# Altium PCB BACKPMANv20.PcbDoc (part 4 of 4)
Units mm, origin at the board's own origin, x right, y up, seen from the top; angles counter-clockwise.
Board outline 113 x 160 mm, 4 copper layers (Component Side, Layer 1, Layer 2, Bottom Layer), stack 1.707 mm thick; 341 components, 232 nets, 1177 pads, 728 vias.
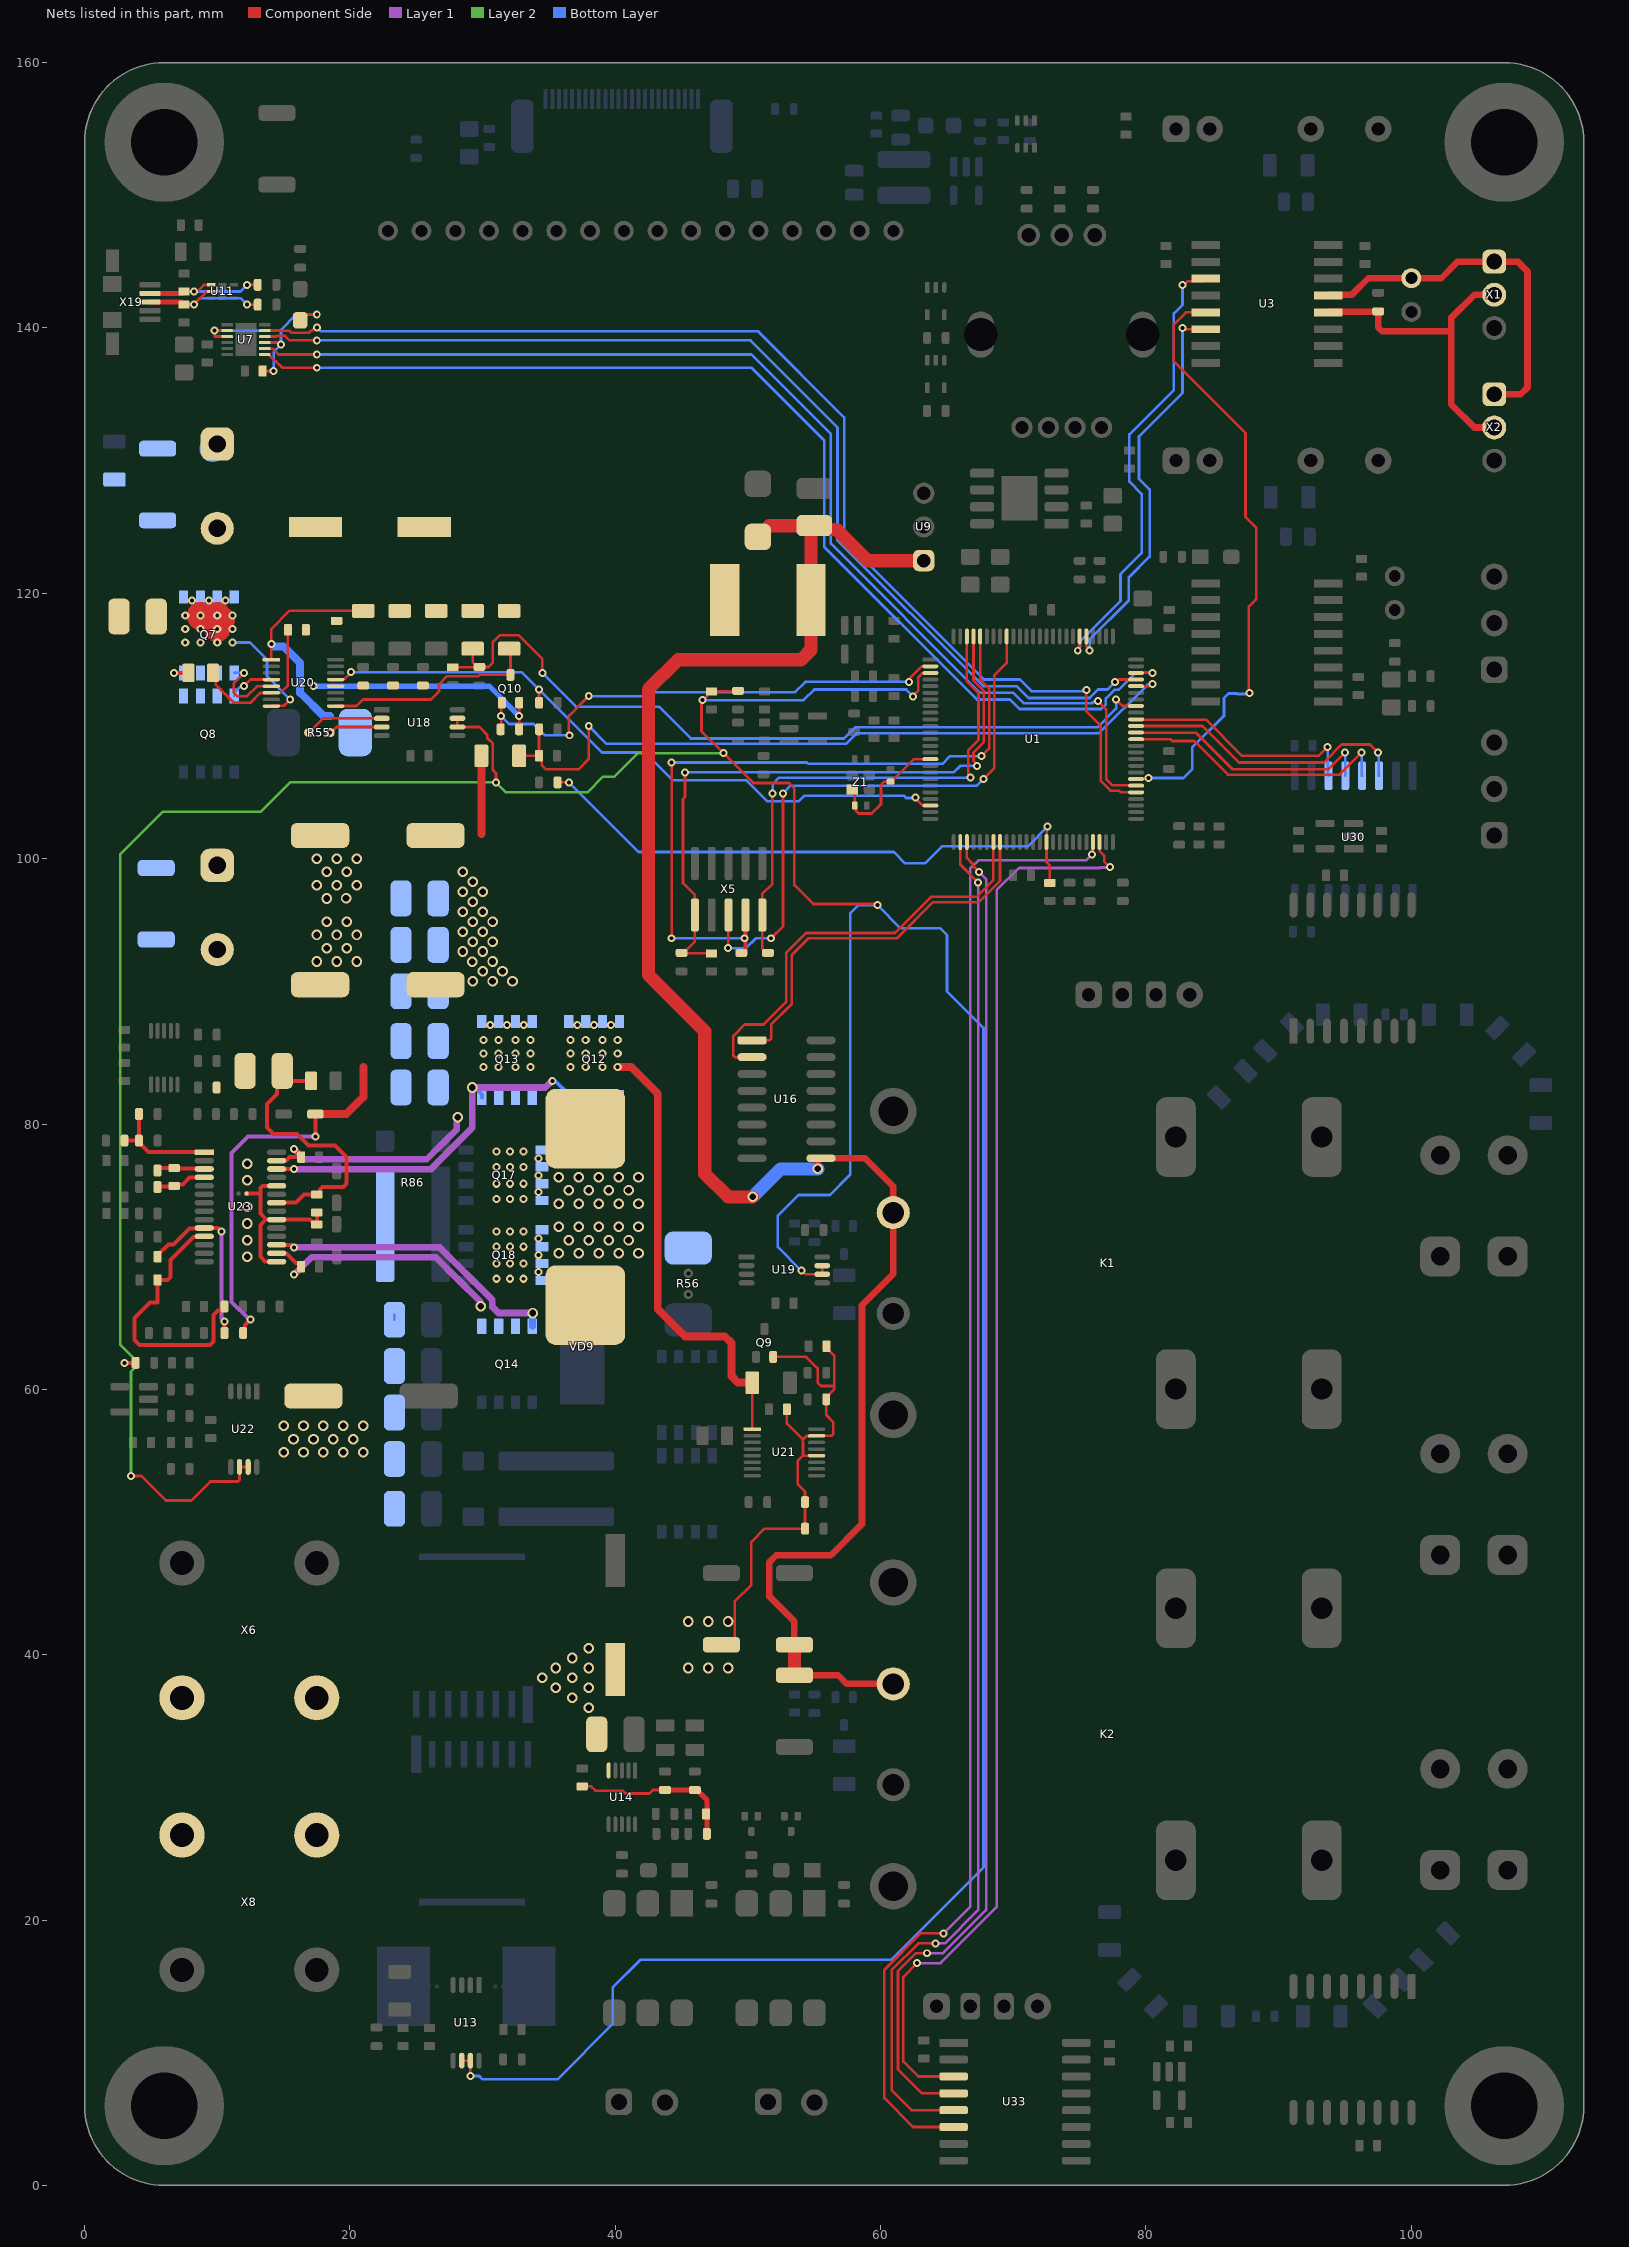
[diagram p6: the nets of this part, all layers, seen from the top]

## Via types
v1: diameter 0.6, hole 0.3, Component Side to Bottom Layer, tented both sides, 260 vias
v2: diameter 0.8, hole 0.5, Component Side to Bottom Layer, tented both sides, 242 vias
v3: diameter 0.61, hole 0.3, Component Side to Bottom Layer, tented both sides, 135 vias
v4: diameter 0.6, hole 0.3, Component Side to Bottom Layer, 88 vias
v5: diameter 1, hole 0.5, Component Side to Bottom Layer, tented both sides, 2 vias
v6: diameter 0.9, hole 0.5, Component Side to Bottom Layer, tented both sides, 1 vias

## Nets (pads, with @x,y where several pads share a name; then routed paths per layer and width w, separated by ;. In a path a pad name is that pad's centre, name@x,y a point inside that pad or via, vN(x,y) a via of type N, cw(c..) or ccw(c..) an arc to the next point about the centre after c; other vN are vias at no path point) (continued)
PGND: B3.1 B7.2 C27.2 C28.2 C29.2 C32.2 C53.2 C54.2 C55.1 C56.1 C57.1 C60.1 C61.2 C62.2 C63.2 C64.2 C65.2 C66.2 C67.2 C68.2 C69.2 C70.2 C71.2 C72.2 C73.2 C75.2 C76.2 C84.2 Q9.2 Q10.2 R31.1 R32.1 R33.1 R62.2 R65.1 R73.1 R74.1 R76.1 R77.2 R78.1 R86.1 R89.1 R109.1 U14.5 U20.12 U21.12 U21.15 U23.15 U23.20 U23.24 VD3.1 VD8.1 VD10.1 X6.2 X8.1 X13.1 X14.2 | length 88
  Component Side w0.2: C55.1@16.675,117.25 C55.1@16.825,117.1 ; C60.1@18.925,118 C60.1@19,117.925 ; R76.1@32.75,109.75 v1(32.75,110.75) Q10.2@32.75,111.75 ; C29.2@37.467,30.108 C29.2@37.5,30.075 38.175,30.075 38.5,29.75 40.559,29.75 40.774,29.535 42.566,29.535 42.831,29.8 R32.1@43.75,29.8 ; C27.2@39.925,38.975 C27.2@40,38.9 ; R31.1@46.875,26.525 R31.1@46.9,26.5 ; VD3.1@48,40.75 48.512,40.75 48.997,41.235 48.997,43.997 50.25,45.25 50.25,48.5 51.25,49.5 R78.1@54.3,49.5 R77.2@54.3,51.5 54.3,52.3 53.75,52.85 53.75,54.6 54.15,55 ; Q9.2@51.9,62.45 54.386,62.45 55.25,61.586 55.25,60.5 55.5,60.25 56.5,60.25 ; C56.1@52.925,58.5 52.925,57.416 54.133,56.208 ; U21.12@55.175,55 54.15,55 ; C57.1@55.925,63.25 55.925,63.125 56.5,62.55 56.5,60.764 56.5,60.25 ; 54.133,56.208 54.414,56.489 55.164,56.489 U21.15@55.175,56.5 56.308,56.5 56.425,56.617 56.425,57.527 55.9,58.052 55.9,59.4 56.5,60 56.5,60.25 ; 54.133,56.208 54.133,56.042 54.15,56.025 54.15,55
  Component Side w0.3: v1(3,62) R109.1@3.85,62 ; B3.1@12.2,74.75 13.25,74.75 ; U23.15@14.475,69.622 14.452,69.645 13.605,69.645 13.25,70 13.25,72.391 13.68,72.82 ; U23.24@14.475,75.337 13.426,75.337 13.25,75.162 13.25,74.75 ; C76.2@17.5,73.325 C84.2@17.5,72.425 17.375,72.425 17.002,72.797 U23.20@14.475,72.797 14.452,72.82 13.68,72.82 ; 13.25,74.75 13.25,73.25 13.68,72.82
  Component Side w0.4: R32.1@43.75,29.8 R33.1@46,29.8 46.15,29.8 46.909,29.041 46.909,26.559 R31.1@46.875,26.525
  Component Side w2: X14.2@10,124.9 X14.2@10.05,124.95
  Bottom Layer w0.2: X14.2@10,124.9 X14.2@10.35,124.9 ; C62.2@23.35,65.25 C62.2@23.35,65.6
  Bottom Layer w0.4: v1(17.25,113) 30.5,113 v1(32.75,110.75)
  Bottom Layer w2: X14.2@9.865,124.9 X14.2@10,124.9 X14.2@10.096,124.996 ; X13.1@9.9,99.4 X13.1@10,99.5
  other v2: 38,36 36.75,36.75 35.5,37.5 38,37.5 34.5,38.25 36.75,38.25 35.5,39 38,39 45.5,39 47,39 48.5,39 36.75,39.75 38,40.5 45.5,42.5 47,42.5 48.5,42.5 15,55.25 16.5,55.25 18,55.25 19.5,55.25 21,55.25 15.75,56.25 17.25,56.25 18.75,56.25 20.25,56.25 15,57.25 16.5,57.25 18,57.25 19.5,57.25 21,57.25 12.25,70 12.25,71.25 12.25,72.5 12.25,73.75 12.25,75.75 12.25,77 17.5,92.25 19,92.25 20.5,92.25 18.25,93.25 19.75,93.25 17.5,94.25 19,94.25 20.5,94.25 18.25,95.25 19.75,95.25 18.25,97 19.708,97.015 17.5,98 19,98 20.5,98 18.25,99 19.75,99 17.5,100 19,100 20.5,100
PIDS_FAULT: R68.1 U1.23 U20.13 | length 50.7
  Component Side w0.2: U20.13@18.925,113.5 18.936,113.511 19.565,113.511 20.072,114.019 v1(20.072,114.057) ; R68.1@34.25,111.75 v1(34.25,112.75) ; v1(62.625,104.625) 62.625,104.539 63.144,104.019 63.731,104.019 U1.23@63.75,104
  Bottom Layer w0.2: v1(20.072,114.057) 32.943,114.057 v1(34.25,112.75) 39,108 42.25,108 44.35,105.9 49.901,105.9 51.476,104.325 53.825,104.325 54.25,104.75 61.75,104.75 61.925,104.575 62.575,104.575 v1(62.625,104.625)
PIDS_SHDN: Q10.1 R76.2 U1.2 | length 38.2
  Component Side w0.2: R76.2@31.35,109.75 31.4,109.8 v1(31.4,110.75) 31.4,111.7 Q10.1@31.45,111.75 ; v1(36.549,109.299) 36.5,109.349 36.5,110.75 v1(38,112.25) ; v1(62.125,113.325) 62.202,113.402 62.202,113.604 63.079,114.481 63.731,114.481 U1.2@63.75,114.5
  Bottom Layer w0.2: v1(31.4,110.75) 32,110.15 33.85,110.15 34.701,109.299 v1(36.549,109.299) ; v1(38,112.25) 42.316,112.25 42.616,112.55 53.55,112.55 54.325,113.325 v1(62.125,113.325)
PSRC: C53.1 C54.1 Q7.3 R61.2 R69.2 R70.2 R75.1 U20.8 VD8.2 X14.1 | length 11.7
  Component Side w0.2: U20.8@14.075,111.5 14.086,111.511 15.011,111.511 v1(15.5,112)
  Component Side w2: v3(8.73,118.328) 8.73,118.25 10,118.25 v3(10,117.312) ; v3(10,118.328) 10.328,118
  Bottom Layer w0.2: v3(11.143,116.296) 12.454,116.296 13.75,115 13.75,113.75 v1(15.5,112)
  Bottom Layer w2: X14.1@9.65,130.9 X14.1@10,131.25
  other v3: 7.587,116.296 8.73,116.296 10,116.296 7.587,117.312 8.73,117.312 11.143,117.312 7.587,118.328 11.143,118.328 8.095,119.45 9.37,119.45 10.62,119.45
PSRC_I: C92.2 R104.2 U1.40 | length 45
  Component Side w0.2: R104.2@35.65,105.75 v1(36.5,105.75) ; v1(72.587,102.413) 72.519,102.346 72.519,101.269 U1.40@72.5,101.25 72.5,99.75 72.75,99.5 C92.2@72.75,98.175
  Bottom Layer w0.2: v1(36.5,105.75) 41.75,100.5 61,100.5 61.85,99.65 63.346,99.65 64.621,100.925 71.099,100.925 v1(72.587,102.413)
PSRC_I+: R55.4 U18.2 | length 5.9
  Component Side w0.2: R55.4@16.9,109.5 17.975,110.575 U18.2@22.4,110.575
PSRC_I-: R55.3 U18.3 | length 4.1
  Component Side w0.2: R55.3@18.5,109.5 18.569,109.5 18.994,109.925 U18.3@22.4,109.925
PSRC_V: C59.2 R61.1 R67.2 U1.68 | length 60.6
  Component Side w0.2: C59.2@27.75,114.425 27.762,114.438 R67.2@29.627,114.438 ; R61.1@29.25,115.825 29.25,114.827 29.627,114.45 30.45,114.45 30.776,114.776 30.776,116.324 31.302,116.849 32.698,116.849 34.5,115.047 v1(34.5,114) ; v1(77.75,112) 78.242,111.508 79.242,111.508 U1.68@79.25,111.5
  Bottom Layer w0.2: v1(34.5,114) 37.042,111.458 43.292,111.458 45.7,109.05 57.234,109.05 58.084,109.9 76.334,109.9 77.75,111.316 v1(77.75,112)
PW2: Q7.2 Q8.2 U20.5 | length 5.8
  Component Side w0.2: v1(12,114) 11.25,113.25 11.25,112.5 11.5,112.25 12.25,112.25 12.989,112.989 14.064,112.989 U20.5@14.075,113
  Bottom Layer w0.2: Q7.2@11.27,114 v1(12,114)
PW4: C55.2 R64.1 U20.6 | length 11.7
  Component Side w0.2: R64.1@9.675,114 9.883,113.792 9.883,113.117 11.25,111.75 12.5,111.75 13.239,112.489 14.064,112.489 14.086,112.511 14.771,112.511 15.325,113.065 C55.2@15.325,117.25
PW5: Q8.1 U20.4 | length 3.5
  Component Side w0.2: v1(12,113) 12.5,113.5 U20.4@14.075,113.5
  Bottom Layer w0.2: Q8.1@11.27,112.25 11.27,112.475 11.718,112.923 11.923,112.923 v1(12,113)
PW6: Q10.3 R75.2 U20.9 | length 16.5
  Component Side w0.2: U20.9@18.925,111.5 20.5,111.5 21,112 26.102,112 26.711,112.609 26.711,113.141 27.32,113.75 29.652,113.75 29.752,113.85 Q10.3@32.1,113.85 32.1,115.725 R75.2@32,115.825
PW9: Q7.1 R64.2 | length 1.8
  Component Side w0.3: v1(6.75,114) R64.2@7.825,114
  Bottom Layer w0.3: v1(6.75,114) Q7.1@7.46,114
PWR24_V: C74.2 R81.1 R83.2 U1.71 | length 57
  Component Side w0.2: R81.1@32.75,107.75 C74.2@34.25,107.75 ; R83.2@34.25,109.75 C74.2@34.25,107.75 ; v1(38,110) 38,107.5 37.25,106.75 34.75,106.75 34.45,107.05 34.45,107.55 C74.2@34.25,107.75 ; U1.71@79.25,113 80.24,113 80.392,113.151 v1(80.5,113.151)
  Bottom Layer w0.2: v1(38,110) 39.35,108.65 57.4,108.65 58.203,109.453 76.453,109.453 80.101,113.101 80.45,113.101 v1(80.5,113.151)
PWR24F: C23.1 F1.2 K1.4 K2.4 U9.1 U16.9 VD2.1 VD4.2 VD5.2 | length 144.2
  Component Side w0.5: VD4.2@53.5,38.45 56.8,38.45 57.45,37.8 K2.4@60.95,37.8 ; VD5.2@53.5,40.75 53.5,42.5 51.613,44.387 51.613,46.98 52.133,47.5 56.25,47.5 58.59,49.84 58.59,66.34 60.95,68.7 K1.4@60.95,73.318 60.95,75.3 58.83,77.42 55.301,77.42 55.255,77.374 v2(55.255,76.615)
  Component Side w1: v2@50.35,74.5 48.5,74.5 46.75,76.25 46.75,87 42.5,91.25 42.5,112.75 44.75,115 54,115 54.75,115.75 F1.2@54.75,119.5 54.75,124.85 C23.1@55,125.1 ; VD2.1@50.75,124.25 51.6,125.1 C23.1@55,125.1 ; VD4.2@53.5,38.45 VD5.2@53.5,40.75 ; U9.1@63.25,122.46 59.04,122.46 56.7,124.8 55.3,124.8 C23.1@55,125.1
  Bottom Layer w1: v2@50.35,74.5 52.465,76.615 v2(55.255,76.615)
  other v2: 50.347,74.503
RESET: C18.2 R17.1 U1.97 X5.10 | length 49.5
  Component Side w0.2: v1(45.25,106.5) 45.25,104.647 45.1,104.497 45.1,98.15 46,97.25 X5.10@46,95.75 46,93.75 45.15,92.9 R17.1@45,92.9 45.025,92.875 47.225,92.875 C18.2@47.25,92.85 ; U1.97@67,116.75 67,113.425 67.775,112.65 67.775,108.775 67,108 67,107.358 67.25,107.108 v1(67.25,107)
  Bottom Layer w0.2: v1(45.25,106.5) 65.5,106.5 66,107 v1(67.25,107)
RS485A: R8.2 U3.12 X1.2 X2.2 | length 25.1
  Component Side w0.5: U3.12@93.75,141.17 93.79,141.21 97.46,141.21 R8.2@97.5,141.25 97.5,140.043 97.793,139.75 103,139.75 ; X2.2@106.25,132.5 104.75,132.5 103,134.25 103,139.75 ; X1.2@106.25,142.5 104.75,142.5 103,140.75 103,139.75
RS485B: J1.1 U3.13 X1.1 X2.1 | length 27.8
  Component Side w0.5: U3.13@93.75,142.44 93.8,142.49 95.49,142.49 96.75,143.75 J1.1@100,143.75 102.25,143.75 103.5,145 X1.1@106.25,145 108,145 108.75,144.25 108.75,135.5 108.25,135 X2.1@106.25,135
SNS+: C78.1 R85.2 U23.3 | length 3.6
  Component Side w0.3: R85.2@5.5,76.5 5.5,76.525 5.65,76.675 C78.1@6.75,76.675 6.795,76.63 9.002,76.63 U23.3@9.025,76.607
SNS-: C78.2 R87.2 U23.4 | length 3.8
  Component Side w0.3: R87.2@5.5,75.25 5.537,75.287 6.713,75.287 C78.2@6.75,75.325 6.875,75.45 7.4,75.45 7.923,75.972 U23.4@9.025,75.972
SPI0_CS: U1.27 U33.5 | length 103.8
  Component Side w0.2: v1(64.142,18.25) 62.836,18.25 60.825,16.239 60.825,7.175 62.33,5.67 U33.5@65.5,5.67 ; U1.27@66,101.25 66,99.55 v1(67.35,98.2)
  Layer 1 w0.2: v1(64.142,18.25) 64.85,18.25 67.35,20.75 v1(67.35,98.2)
SPI0_MISO: U1.47 U33.6 | length 113.1
  Component Side w0.2: v1(64.75,19) 63.02,19 60.275,16.255 60.275,6.575 62.45,4.4 U33.6@65.5,4.4 ; v1(75.919,100.303) 75.981,100.365 75.981,101.231 U1.47@76,101.25
  Layer 1 w0.2: v1(64.75,19) 66.75,21 66.75,99.258 67.367,99.875 75.467,99.875 75.895,100.303 v1(75.919,100.303)
SPI0_MOSI: U1.28 U33.4 | length 102
  Component Side w0.2: v1(63.5,17.5) 62.651,17.5 61.31,16.159 61.31,8.746 63.116,6.94 U33.4@65.5,6.94 ; U1.28@66.5,101.25 66.5,100.05 66.98,99.57 66.98,99.429 67.399,99.009 v1(67.399,98.999)
  Layer 1 w0.2: v1(63.5,17.5) 64.7,17.5 67.95,20.75 67.95,98.449 v1(67.399,98.999)
SPI0_SCK: U1.48 U33.3 | length 108
  Component Side w0.2: v1(62.75,16.75) 61.71,15.71 61.71,9.34 62.84,8.21 U33.3@65.5,8.21 ; U1.48@76.5,101.25 76.504,101.246 76.504,100.565 76.848,100.22 76.848,99.797 77.283,99.363 v1(77.283,99.361)
  Layer 1 w0.2: v1(62.75,16.75) 64.516,16.75 68.75,20.984 68.75,97.625 70.425,99.3 76.517,99.3 76.55,99.333 77.255,99.333 v1(77.283,99.361)
SPI1_CS: U1.63 U30.5 | length 20.6
  Component Side w0.2: U1.63@79.25,109 81.836,109 81.974,108.861 83.639,108.861 86.167,106.333 94.583,106.333 v1(96.25,108)
  Bottom Layer w0.2: v1(96.25,108) 96.27,107.98 96.27,106.27 U30.5@96.29,106.25
SPI1_MISO: U1.65 U30.6 | length 22
  Component Side w0.2: U1.65@79.25,110 84.25,110 87,107.25 93.401,107.25 94.751,108.6 96.9,108.6 v1(97.5,108)
  Bottom Layer w0.2: v1(97.5,108) 97.53,107.97 97.53,106.28 U30.6@97.56,106.25
SPI1_MOSI: U1.64 U30.4 | length 19.2
  Component Side w0.2: U1.64@79.25,109.5 83.75,109.5 86.5,106.75 93.75,106.75 v1(95,108)
  Bottom Layer w0.2: v1(95,108) 95.01,107.99 95.01,106.26 U30.4@95.02,106.25
SPI1_SCK: U1.66 U30.3 | length 18
  Component Side w0.2: U1.66@79.25,110.5 79.269,110.481 79.79,110.481 79.796,110.475 84.525,110.475 87.25,107.75 93.018,107.75 v1(93.668,108.4)
  Bottom Layer w0.2: v1(93.668,108.4) 93.709,108.359 93.709,106.291 U30.3@93.75,106.25
SW1: C83.2 L5.1 Q12.2 Q13.2 Q17.3 U23.27 | length 17.3
  Component Side w0.3: U23.27@14.475,77.242 14.498,77.265 15.228,77.265 15.463,77.5 C83.2@16.325,77.5 16.325,77.625 15.85,78.1 v1(15.8,78.1) v1@15.8,78.019
  Layer 1 w0.5: v1(15.8,78.1) 16.56,77.34 25.793,77.34 28.064,79.61 28.064,80.439 v2(28.121,80.496)
  other v2: 35.75,74 37.25,74 38.75,74 40.25,74 41.75,74 36.5,75 38,75 39.5,75 41,75 35.75,76 37.25,76 38.75,76 40.25,76 41.75,76
  other v3: 31.046,74.357 32.062,74.357 33.078,74.357 34.2,74.88 31.046,75.5 32.062,75.5 33.078,75.5 34.2,76.13 31.046,76.77 32.062,76.77 33.078,76.77 34.2,77.405 31.046,77.913 32.062,77.913 33.078,77.913
SW2: C85.2 L5.2 Q14.2 Q18.3 U23.16 VD9.1 VD9.2 | length 19.5
  Component Side w0.3: U23.16@14.475,70.257 14.498,70.235 15.226,70.235 15.936,69.525 16.175,69.525 16.325,69.375 C85.2@16.325,69.25 16.325,69.125 15.85,68.65 v1(15.8,68.65)
  Layer 1 w0.5: v1(15.8,68.65) 17.11,69.96 26.468,69.96 28.15,68.279 29.831,66.598 29.831,66.294 v2(29.85,66.275)
  other v2: 35.75,70.25 37.25,70.25 38.75,70.25 40.25,70.25 41.75,70.25 36.5,71.25 38,71.25 39.5,71.25 41,71.25 35.75,72.25 37.25,72.25 38.75,72.25 40.25,72.25 41.75,72.25
  other v3: 31.046,68.337 32.062,68.337 33.078,68.337 34.2,68.86 31.046,69.48 32.062,69.48 33.078,69.48 34.2,70.11 31.046,70.75 32.062,70.75 33.078,70.75 34.2,71.385 31.046,71.893 32.062,71.893 33.078,71.893
SW_INV_PATH: U1.33 U16.1 | length 29.4
  Component Side w0.2: U16.1@50.3,86.31 51.633,86.31 51.75,86.427 51.75,87.5 53.3,89.05 53.3,92.75 54.55,94 61.237,94 63.954,96.717 67.401,96.717 69,98.316 U1.33@69,101.25
SW_MAINS_PATH: U1.32 U16.2 | length 32.4
  Component Side w0.2: U16.2@50.3,85.04 49.017,85.04 48.9,85.157 48.9,86.646 49.754,87.5 51.184,87.5 52.875,89.191 52.875,92.9 54.375,94.4 61.072,94.4 63.789,97.117 67.236,97.117 68.5,98.381 U1.32@68.5,101.25
SWD_CLK: R14.1 U1.96 X5.4 | length 55
  Component Side w0.2: v1(44.25,94) v1(44.25,107.25) ; U1.96@67.5,116.75 67.5,113.491 68.175,112.816 68.175,108.294 v1(67.6,107.719)
  Component Side w0.3: R14.1@49.5,92.9 49.65,92.9 49.81,93.06 X5.4@49.81,95.75
  Bottom Layer w0.2: v1(44.25,94) v1(49.75,94) ; v1(44.25,107.25) 54.454,107.25 54.554,107.15 64.65,107.15 65.219,107.719 v1(67.6,107.719)
SWD_DIO: R12.1 U1.98 X5.2 | length 39.8
  Component Side w0.2: R12.1@51.5,92.9 51.377,92.9 51.08,93.197 X5.2@51.08,95.75 51.075,95.755 51.075,97.325 51.841,98.091 v1(51.841,104.925) ; U1.98@66.5,116.75 66.5,113.36 67.375,112.485 67.375,108.941 66.6,108.166 66.6,106.281 66.773,106.108 v1(66.773,106.1)
  Bottom Layer w0.2: v1(51.841,104.925) 51.876,104.961 51.876,105.625 52.351,106.1 v1(66.773,106.1)
SWO: U1.92 X5.6 | length 44.4
  Component Side w0.2: v1(48.5,93.25) 48.52,93.27 48.52,95.73 X5.6@48.54,95.75 ; v1(51.75,94) 52.641,94.891 v1(52.641,104.925) ; v1(67.75,106) 68.575,106.825 68.575,113.825 69.5,114.75 U1.92@69.5,116.75
  Bottom Layer w0.2: v1(48.5,93.25) 49.849,93.25 50.599,94 v1(51.75,94) ; v1(52.641,104.925) 53.216,105.5 67.25,105.5 v1(67.75,106)
SYS_PWR: C67.1 C68.1 C69.1 C70.1 C71.1 C72.1 C73.1 F1.1 Q12.3 Q13.3 R55.1 R56.2 R57.2 R59.2 R81.2 R82.2 U20.1 U21.1 VD10.2 VD11.2 X13.2 | length 87.7
  Component Side w0.2: U20.1@14.075,115 v1(14.075,116.163) 14.075,117.325 15.425,118.675 R57.2@21,118.675 ; U21.1@50.325,57 R59.2@50.325,60.5
  Component Side w0.3: R82.2@11.95,64.25 12.1,64.4 12.1,64.85 v1(12.5,65.25) ; v1(17.4,79.059) VD11.2@17.4,80.75
  Component Side w0.6: VD11.2@17.4,80.75 19.725,80.75 21.025,82.05 21.025,84.3 ; 29.9,101.85 R81.2@29.9,107.75 ; v3(40.183,84.296) 41.204,84.296 43.2,82.3 43.2,66.05 45.25,64 48.25,64 48.75,63.5 48.75,61 49.25,60.5 R59.2@50.325,60.5
  Layer 1 w0.3: v1(12.5,65.25) 12.42,65.25 11.07,66.6 11.07,77.82 12.309,79.059 v1(17.4,79.059)
  Bottom Layer w0.6: v1(14.075,116.163) 14.238,116 15,116 16.25,114.75 16.25,112.5 18,110.75 18.5,110.75
  Bottom Layer w2: X13.2@9.865,93.15 X13.2@10,93.15
  other v2: 29.25,90.75 30.75,90.75 32.25,90.75 30,91.5 31.5,91.5 29.227,92.236 30.75,92.25 28.5,93 30,93 29.25,93.75 30.75,93.75 28.5,94.5 30,94.5 29.25,95.25 30.75,95.25 28.5,96 30,96 29.25,96.75 28.5,97.5 30,97.5 29.25,98.25 28.5,99
  other v3: 30.067,84.296 31.21,84.296 32.48,84.296 33.623,84.296 36.627,84.296 37.77,84.296 39.04,84.296 30.067,85.312 31.21,85.312 32.48,85.312 33.623,85.312 36.627,85.312 37.77,85.312 39.04,85.312 40.183,85.312 30.067,86.328 31.21,86.328 32.48,86.328 33.623,86.328 36.627,86.328 37.77,86.328 39.04,86.328 40.183,86.328 30.575,87.45 31.85,87.45 33.1,87.45 37.135,87.45 38.41,87.45 39.66,87.45
TG1: Q12.1 Q13.1 U23.26 | length 28.4
  Component Side w0.3: U23.26@14.475,76.607 14.479,76.604 15.796,76.604 v1(15.8,76.6)
  Layer 1 w0.5: v1(15.8,76.6) 26.1,76.6 29.21,79.71 v2(29.21,82.75) 34.723,82.75 35.223,83.25 v1(35.25,83.25)
  Bottom Layer w0.3: v2(29.21,82.75) 29.415,82.75 29.94,82.225 Q13.1@29.94,82 ; v1(35.25,83.25) 35.475,83.25 36.5,82.225 Q12.1@36.5,82
TG2: Q14.1 U23.17 | length 22.8
  Component Side w0.3: U23.17@14.475,70.892 15.624,70.892 15.8,70.717 v1(15.8,70.7)
  Layer 1 w0.5: v1(15.8,70.7) 26.775,70.7 30.74,66.735 30.74,66.21 31.2,65.75 v2(33.775,65.75)
  Bottom Layer w0.5: Q14.1@33.75,64.75 33.763,64.762 33.763,65.738 v2(33.775,65.75)
UART0_CTS: U1.56 U7.8 | length 87.4
  Component Side w0.2: U7.8@13.58,138.45 13.605,138.425 14.206,138.425 14.631,138 v1(17.5,138) ; v1(76.368,111.882) 77,111.25 77,106 77.481,105.519 79.231,105.519 U1.56@79.25,105.5
  Bottom Layer w0.2: v1(17.5,138) 50.25,138 56.25,132 56.25,123.75 67.5,112.5 70,112.5 70.789,111.711 75.914,111.711 76.009,111.805 76.292,111.805 v1(76.368,111.882)
UART0_RTS: U1.55 U7.11 | length 89.2
  Component Side w0.2: U7.11@13.58,139.8 15.426,139.8 15.576,139.65 16.924,139.65 17.074,139.8 17.15,139.8 17.368,140.018 v1(17.503,140.018) ; v1(75.5,112.711) 75.5,111.099 76.6,109.999 76.6,105.834 77.315,105.119 77.979,105.119 78.099,105 U1.55@79.25,105
  Bottom Layer w0.2: v1(17.503,140.018) 17.553,140.018 17.82,139.75 50.75,139.75 57.25,133.25 57.25,124.053 67.803,113.5 70.5,113.5 71.373,112.627 75.183,112.627 75.191,112.634 75.423,112.634 v1(75.5,112.711)
UART0_RX: U1.73 U7.7 | length 85
  Component Side w0.2: U7.7@13.88,138 14.393,137.487 14.432,137.487 14.92,137 v1(17.5,137) ; U1.73@79.25,114 v1(80.5,114)